# Altium PCB Arduino开发板 MINI款.PcbDoc
Units mm, origin at the board's own origin, x right, y up, seen from the top; angles counter-clockwise.
Board outline 68.58 x 53.34 mm, 2 copper layers (Top Layer, Bottom Layer); 45 components, 40 nets, 243 pads, 41 vias.
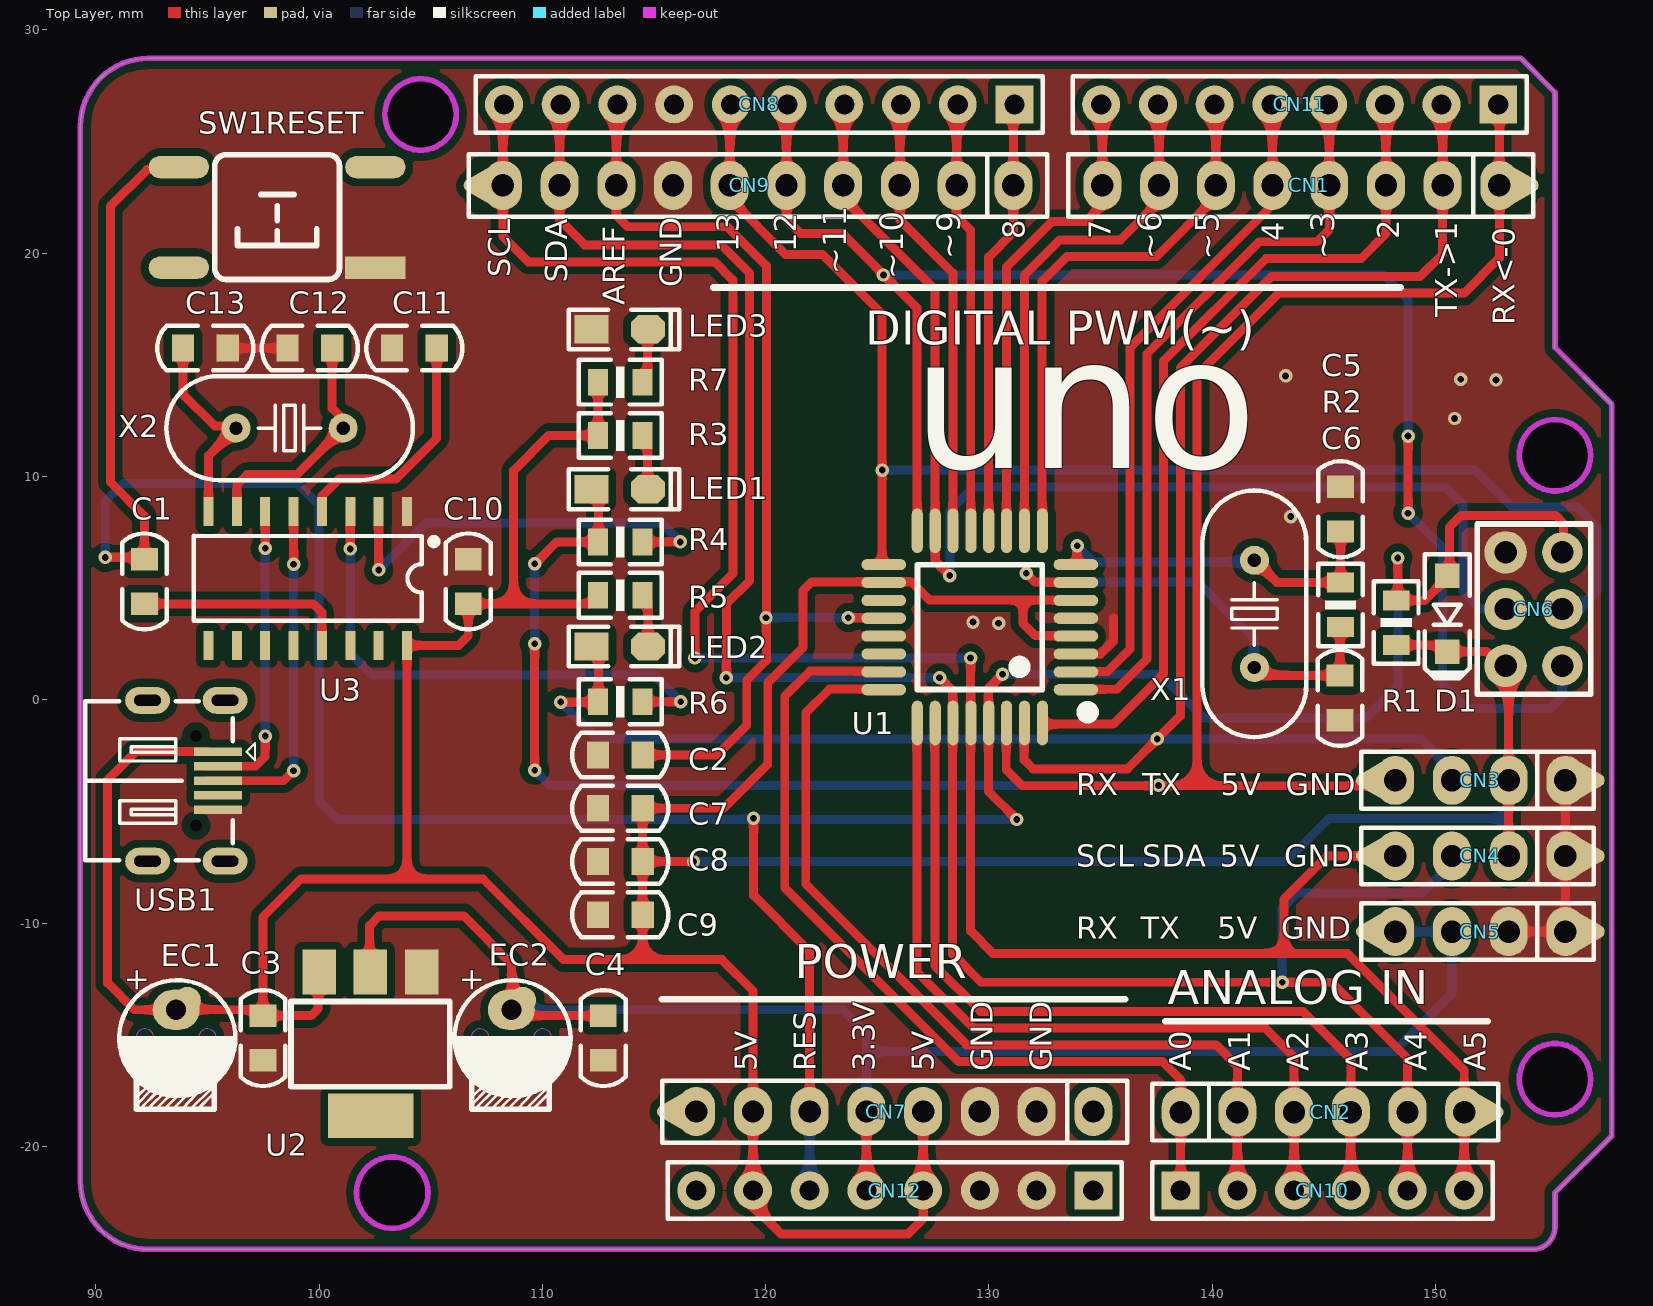
[diagram p0: Top Layer view]
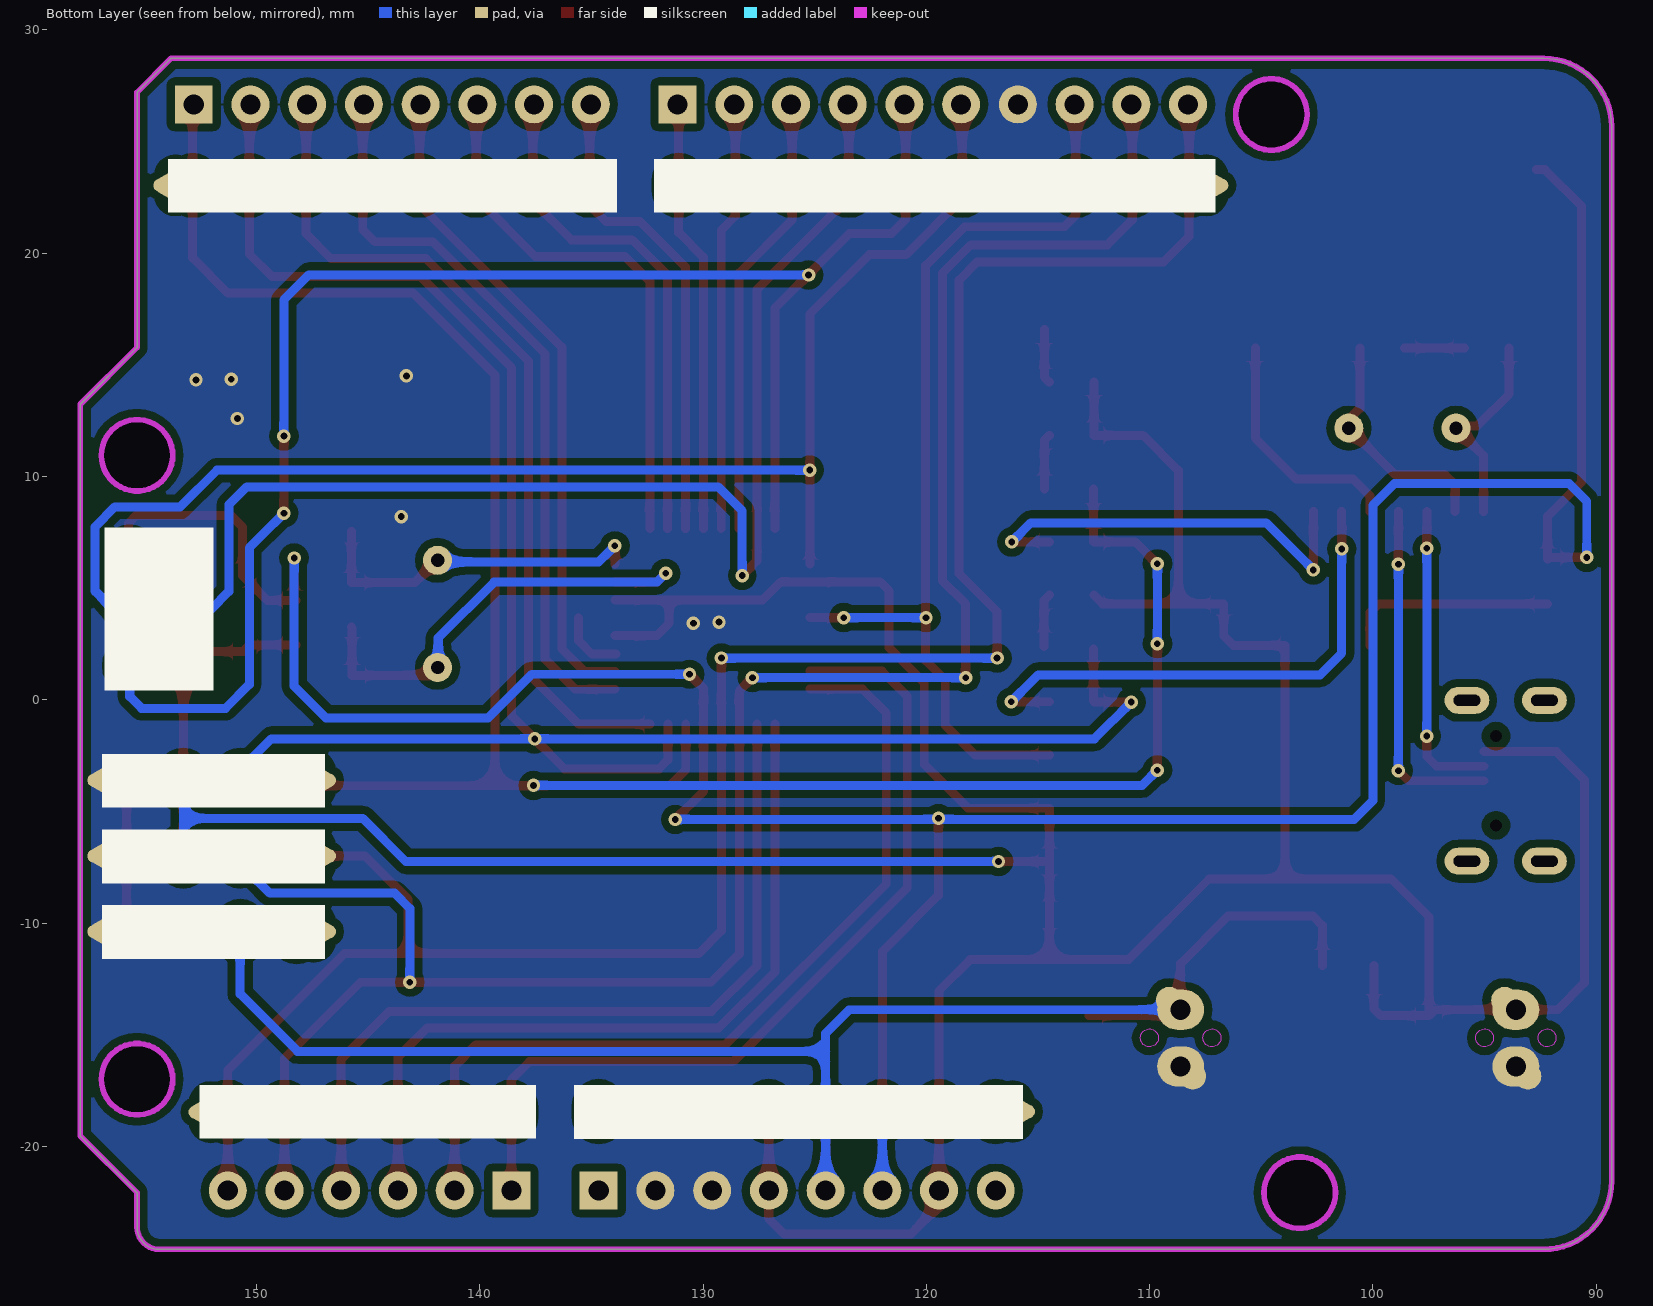
[diagram p1: Bottom Layer view, seen from below]

## Layer stack, top to bottom
Top Solder: solder mask 0.0102, Solder Resist, Dk 3.5
Top Layer: signal copper 0.0356
Dielectric 1: dielectric 0.32, FR-4, Dk 4.8
Bottom Layer: signal copper 0.0356
Bottom Solder: solder mask 0.0102, Solder Resist, Dk 3.5

## Board outline
89.306,-21.565 ccw(c92.354,-21.565) 92.354,-24.613 154.346,-24.613 ccw(c154.346,-23.613) 155.346,-23.613 155.346,-22.073 157.886,-19.533 157.886,13.233 155.346,15.773 155.346,27.203 153.822,28.727 92.354,28.727 ccw(c92.354,25.679) 89.306,25.679
cut-out: 153.746,10.947 ccw(c155.346,10.947) 155.346,9.347 ccw(c155.346,10.947) 156.946,10.947 ccw(c155.346,10.947) 155.346,12.547 ccw(c155.346,10.947)
cut-out: 153.746,-16.993 ccw(c155.346,-16.993) 155.346,-18.593 ccw(c155.346,-16.993) 156.946,-16.993 ccw(c155.346,-16.993) 155.346,-15.393 ccw(c155.346,-16.993)
cut-out: 101.676,-22.073 ccw(c103.276,-22.073) 103.276,-23.673 ccw(c103.276,-22.073) 104.876,-22.073 ccw(c103.276,-22.073) 103.276,-20.473 ccw(c103.276,-22.073)
cut-out: 102.946,26.187 ccw(c104.546,26.187) 104.546,24.587 ccw(c104.546,26.187) 106.146,26.187 ccw(c104.546,26.187) 104.546,27.787 ccw(c104.546,26.187)

## Design rules (kind name [scope] priority, off if disabled: settings)
Clearance [All] p1: gap=0.35 ignorepadtopadclearanceinfootprint=FALSE
PlaneConnect [All] p1: planeconnectstyle=Direct reliefexpansion=0.508 reliefentries=4 reliefconductorwidth=0.254 reliefairgap=0.254
PolygonConnect [All] p1: connectstyle=Direct reliefconductorwidth=0.254 reliefentries=4 polygonreliefangle="90 Angle" airgapwidth=0.254
RoutingVias [All] p1: holewidth=0.711 width=1.27 viastyle="Through Hole" minholewidth=0.711 minwidth=1.27 maxholewidth=0.711 maxwidth=1.27
SolderMaskExpansion [All] p1: expansion=0.102
Width [All] p1: maxlimit=10 minlimit=0.254 preferedwidth=0.254
29 further rules are at their usual default settings.

## Components (designator, comment, footprint, x,y, rotation, side; value= is the part's Value field where it differs from the comment)
C1 "104" C0805-SMT 92.177,5.299 r90 top
C2 "22pF" C0805-SMT 113.487,-2.471 r180 top
C3 "104" C0805-SMT 97.485,-15.148 r90 top
C4 "104" C0805-SMT 112.725,-15.148 r90 top
C5 "22pF" C0805-SMT 145.745,8.534 r270 top
C6 "22pF" C0805-SMT 145.72,0.086 r90 top
C7 "104" C0805-SMT 113.487,-4.856 r0 top
C8 "104" C0805-SMT 113.487,-7.242 r0 top
C9 "104" C0805-SMT 113.487,-9.627 r0 top
C10 "104" C0805-SMT 106.68,5.299 r90 top
C11 "104" C0805-SMT 104.267,15.748 r0 top
C12 "22pF" C0805-SMT 99.585,15.748 r0 top
C13 "22pF" C0805-SMT 94.904,15.748 r180 top
CN1 "排针8P" sip8 152.857,23.038 r180 top
CN2 "排针6P" sip6 144.932,-18.466 r0 top
CN3 "CN4" sip4 155.813,-3.607 r180 top
CN4 "CN4" sip4 155.813,-6.994 r180 top
CN5 "CN4" sip4 155.813,-10.382 r180 top
CN6 "CN2*3" sip2*3 154.407,4.064 r90 top
CN7 "排针8P" SIP8 134.671,-18.44 r180 top
CN8 "排母10P" HDR2.54-M-LI-10P 119.71,26.663 r180 top
CN9 "排针10P" SIP10 131.089,23.038 r180 top
CN10 "排母6P" HDR2.54-M-LI-6P 144.932,-21.978 r0 top
CN11 "排母8P" HDR2.54-M-LI-8P 143.916,26.663 r180 top
CN12 "排母8P" HDR2.54-M-LI-8P 125.781,-21.978 r180 top
D1 "1N4148" SOD123/F(4148)-SMT 150.52,3.861 r270 top
EC1 "10uF" CAE2.54-Φ5-AI 93.599,-15.138 r0 top
EC2 "10uF" CAE2.54-Φ5-AI 108.61,-15.138 r0 top
LED1 "LED-0805" "LED 0805R" 113.462,9.431 r0 top
LED2 "LED-0805" "LED 0805R" 113.462,2.388 r0 top
LED3 "LED-0805" "LED 0805R" 113.462,16.586 r0 top
R1 "10K/0805" R0805-SMT 148.234,3.454 r270 top
R2 "1M/0805" R0805-SMT 145.745,4.251 r90 top
R3 "1K/0805" R0805-SMT 113.487,11.839 r0 top
R4 "1K/0805" R0805-SMT 113.487,7.069 r0 top
R5 "1K/0805" R0805-SMT 113.487,4.684 r0 top
R6 "1K/0805" R0805-SMT 113.487,-0.086 r0 top
R7 "1K/0805" R0805-SMT 113.487,14.224 r180 top
SW1 "6_6_5MM轻触按键" "TSW SMD-6*6*5" 98.12,21.615 r180 top
U1 "ATMEGA328P" "LQFP32 7X7_M" 129.591,3.251 r90 top
U2 "AMS1117-3.3" SOT-223 102.362,-15.494 r180 top
U3 "CH340G" IC-SOP16-1.27-SMT 99.492,5.436 r180 top
USB1 "USB-5P" USB-MICRO_D 92.318,-3.626 r270 top
X1 "12M" "OSC HC-49S" 141.884,3.848 r270 top
X2 "12M" "OSC HC-49S" 98.679,12.167 r180 top

## Footprints (in the part's own frame and the unit in brackets; to place one, negate y for a bottom-side part, rotate by r counter-clockwise, add the part's x,y. Pads: shape width x height; smd on the part's side, far side on the other; paste and mask are expansions set on the pad)
C0805-SMT [mm]
  rect 1x1.2 smd: 1(-1,0) 2(1,0)
  silkscreen extent -2.15,-1 2.15,1, body extent -1,-0.62 1,0.62, height 0.77
CAE2.54-Φ5-AI [mm]
  oval 2.1x1.8 hole 0.9: 1(0,1.257) 2(0,-1.283)
  oval 1.8x2.6 on Bottom Solder rot 135: 1(0.236,1.446) 2(-0.236,-1.511)
  round 1.2 all layers, no hole: 1(0.504,1.685) 2(-0.542,-1.715)
  Keep-Out Layer circle w0.05: c-1.4,0 r0.4
  Keep-Out Layer circle w0.05: c1.4,0 r0.4
  silkscreen extent -2.55,-3.22 2.65,2.59, body extent -2.5,-2.51 2.5,2.5, height 11.04
HDR2.54-M-LI-6P [mm] "排母，6脚  淘宝ID:黄晶宝石   店铺网址:https://shop463601444.taobao.com"
  rect 1.7x1.7 hole 0.9: 1(-6.35,0)
  round 1.7 hole 0.9: 2(-3.81,0) 3(-1.27,0) 4(1.27,0) 5(3.81,0) 6(6.35,0)
  silkscreen extent -7.62,-1.27 7.62,1.27, body extent -7.62,-1.27 7.62,1.27, height 8.5
HDR2.54-M-LI-8P [mm] "排母，8脚"
  rect 1.7x1.7 hole 0.9: 1(-8.89,0)
  round 1.7 hole 0.9: 2(-6.35,0) 3(-3.81,0) 4(-1.27,0) 5(1.27,0) 6(3.81,0) 7(6.35,0) 8(8.89,0)
  silkscreen extent -10.16,-1.27 10.16,1.27, body extent -10.16,-1.27 10.16,1.27, height 8.5
HDR2.54-M-LI-10P [mm] "排母，10脚"
  rect 1.7x1.7 hole 0.9: 1(-11.43,0)
  round 1.7 hole 0.9: 2(-8.89,0) 3(-6.35,0) 4(-3.81,0) 5(-1.27,0) 6(1.27,0) 7(3.81,0) 8(6.35,0) 9(8.89,0) 10(11.43,0)
  silkscreen extent -12.7,-1.27 12.7,1.27, body extent -12.7,-1.27 12.7,1.27, height 8.5
IC-SOP16-1.27-SMT [mm]
  rect 0.45x1.3 smd: 1(-4.445,-3) 2(-3.175,-3) 3(-1.905,-3) 4(-0.635,-3) 5(0.635,-3) 6(1.905,-3) 7(3.175,-3) 8(4.445,-3) 9(4.445,3) 10(3.175,3) 11(1.905,3) 12(0.635,3) 13(-0.635,3) 14(-1.905,3) 15(-3.175,3) 16(-4.445,3)
  silkscreen extent -5.8,-1.9 5.1,1.9, body extent -5,-3.13 5,3.13, height 1.5
"LED 0805R" [mil] "红色0805LED                                       淘宝ID:黄晶宝石"
  rect 60x50 smd: 1(-50,0)
  oct 60x50 smd: 2(50,0)
  silkscreen extent -90,-35 105,35, body extent -39,-25 39,25, height 32
"LQFP32 7X7_M" [mm] "32脚，体宽7x7mm，脚距0.8mm     淘宝ID:黄晶宝石"
  oval 0.5x2 smd: 1(-2.8,-4.303) 2(-2,-4.303) 3(-1.2,-4.303) 4(-0.4,-4.303) 5(0.4,-4.303) 6(1.2,-4.303) 7(2,-4.303) 8(2.8,-4.303) 17(2.8,4.303) 18(2,4.303) 19(1.2,4.303) 20(0.4,4.303) 21(-0.4,4.303) 22(-1.2,4.303) 23(-2,4.303) 24(-2.8,4.303)
  oval 2x0.5 smd: 9(4.317,-2.8) 10(4.317,-2) 11(4.317,-1.2) 12(4.317,-0.4) 13(4.317,0.4) 14(4.317,1.2) 15(4.317,2) 16(4.317,2.8) 25(-4.289,2.8) 26(-4.289,2) 27(-4.289,1.2) 28(-4.289,0.4) 29(-4.289,-0.4) 30(-4.289,-1.2) 31(-4.289,-2) 32(-4.289,-2.8)
  silkscreen extent -4.06,-5.08 2.79,2.79, body extent -4.5,-4.5 4.5,4.5, height 1.45
"OSC HC-49S" [mm] "封装库来自淘宝卖家 ID：黄晶宝石"
  round 1.3 hole 0.6: 1(-2.4,0) 2(2.4,0)
  silkscreen extent -5.52,-2.32 5.52,2.33, body extent -5.52,-2.32 5.53,2.33, height 4.13
R0805-SMT [mm]
  rect 0.9x1.2 smd: 1(-1,0) 2(1,0)
  silkscreen extent -1.85,-1 1.85,1, body extent -1,-0.62 1,0.63, height 0.4
sip2*3 [mm]
  round 1.8 hole 1: 1(-2.54,-1.27) 3(0,-1.27) 5(2.54,-1.27)
  round 1.9 hole 1: 2(-2.54,1.27) 4(0,1.27) 6(2.54,1.27)
  silkscreen extent -3.81,-2.54 3.81,2.54, body extent -3.81,-2.54 3.81,2.54, height 8.5
sip4 [mm]
  oval 0.6x2 all layers, no hole rot 121: 1(-0.76,0.4)
  oval 0.6x2 all layers, no hole rot 60: 1(-0.76,-0.4) 4(8.38,0.4)
  oval 2x0.6 all layers, no hole: 1(-0.76,0) 4(8.38,0)
  oval 1.7x2.2 hole 1: 1(0,0) 2(2.54,0) 3(5.08,0) 4(7.62,0)
  oval 0.6x2 all layers, no hole rot 120: 4(8.38,-0.4)
  silkscreen extent -1.27,-1.27 9.14,1.27, body extent -1.27,-1.27 8.89,1.27, height 8.5
sip6 [mm]
  oval 1.7x2.2 hole 1: 1(-6.35,0) 2(-3.81,0) 3(-1.27,0) 4(1.27,0) 5(3.81,0) 6(6.35,0)
  oval 2x0.6 all layers, no hole: 6(7.11,0)
  oval 0.6x2 all layers, no hole rot 120: 6(7.11,-0.4)
  oval 0.6x2 all layers, no hole rot 60: 6(7.11,0.4)
  silkscreen extent -7.62,-1.27 7.87,1.27, body extent -7.62,-1.27 7.62,1.27, height 8.5
sip8 [mm]
  oval 0.6x2 all layers, no hole rot 120: 1(-0.76,0.4)
  oval 0.6x2 all layers, no hole rot 60: 1(-0.76,-0.4)
  oval 2x0.6 all layers, no hole: 1(-0.76,0)
  oval 1.7x2.2 hole 1: 1(0,0) 2(2.54,0) 3(5.08,0) 4(7.62,0) 5(10.16,0) 6(12.7,0) 7(15.24,0) 8(17.78,0)
  silkscreen extent -1.52,-1.39 19.3,1.4, body extent -1.27,-1.27 19.05,1.27, height 8.5
SIP8 [mm]
  oval 1.7x2.2 hole 1: 1(0,0) 2(2.54,0) 3(5.08,0) 4(7.62,0) 5(10.16,0) 6(12.7,0) 7(15.24,0) 8(17.78,0)
  oval 2x0.6 all layers, no hole: 8(18.54,0)
  oval 0.6x2 all layers, no hole rot 120: 8(18.54,-0.4)
  oval 0.6x2 all layers, no hole rot 60: 8(18.54,0.4)
  silkscreen extent -1.52,-1.39 19.3,1.4, body extent -1.27,-1.27 19.05,1.27, height 8.5
SIP10 [mm]
  oval 1.7x2.2 hole 1: 1(0,0) 2(2.54,0) 3(5.08,0) 4(7.62,0) 5(10.16,0) 6(12.7,0) 7(15.24,0) 8(17.78,0) 9(20.32,0) 10(22.86,0)
  oval 2x0.6 all layers, no hole: 10(23.62,0)
  oval 0.6x2 all layers, no hole rot 120: 10(23.62,-0.4)
  oval 0.6x2 all layers, no hole rot 60: 10(23.62,0.4)
  silkscreen extent -1.52,-1.39 24.38,1.4, body extent -1.27,-1.27 24.13,1.27, height 8.5
SOD123/F(4148)-SMT [mm]
  rect 1.1x1.1 smd: A(-1.7,0) K(1.7,0)
  silkscreen extent -2.65,-1 2.9,1, body extent -1.85,-0.8 1.85,0.8, height 1.2
SOT-223 [mil] "封装库来自淘宝卖家 ID：黄晶宝石"
  rect 59x79 smd: 1(-88,-130) 2(2.55,-130) 3(93.1,-130)
  rect 150x79 smd: 2(1.88,123.54)
  silkscreen extent -137,-78 143,72, body extent -126,-139 130,135, height 67
"TSW SMD-6*6*5" [mm] "6*6*5mm           淘宝ID:黄晶宝石"
  rect 2.7x1 smd: 1(-4.4,2.261)
  oval 2.7x1 smd: 2(-4.4,-2.239) 3(4.4,-2.239) 4(4.4,2.261)
  silkscreen extent -2.79,-2.79 2.79,2.79, body extent -4.5,-3 4.5,3, height 4.95
USB-MICRO_D [mm] "micro型USB ，6.7*7.5*2.5mm"
  oval 1.2x2 hole 0.5 slot 1.2 at 90 deg: 0(-3.6,3.47) 0(-3.6,0) 0(3.6,3.47) 0(3.6,0)
  round 0 hole 0.55 unplated: 0(-2,2.17) 0(2,2.17)
  rect 0.381x2.15 smd: 1(-1.3,3.16) 2(-0.65,3.16) 3(0,3.16) 4(0.65,3.16) 5(1.3,3.16)
  silkscreen extent -3.56,-2.79 3.56,4.81, body extent -3.99,-2.75 3.99,3.95, height 2.79

## Part data
C1 C2 C3 C4 C5 C6 C7 C8 C9 C10 C11 C12 C13: library part C, "C"
CN1 CN7 CN11 CN12: library part CN8, "8P-SOCKET"
CN2 CN10: library part CN6, "6P-SOCKET"
CN3 CN4 CN5: "4P-SOCKET"
CN8 CN9: library part CN10, "10P-SOCKET"
D1: library part D, "DIODE"
EC1 EC2: library part CAE, "EA"
LED1 LED2 LED3: "LED_0805"
R1 R2 R3 R4 R5 R6 R7: library part R, "RES"
X1 X2: library part X, "4M"

## Via types
v1: diameter 0.6, hole 0.3, Top Layer to Bottom Layer, 41 vias

## Nets (pads, with @x,y where several pads share a name; then routed paths per layer and width w, separated by ;. In a path a pad name is that pad's centre, name@x,y a point inside that pad or via, vN(x,y) a via of type N, cw(c..) or ccw(c..) an arc to the next point about the centre after c; other vN are vias at no path point)
+3V3: C4.2 CN5.3 CN5.4 CN7.5 CN12.5 EC2.1@108.61,-13.881 EC2.1@109.114,-13.453 U2.2@102.297,-12.192 | length 78.1
  Top Layer w0.4: U2.2@102.26,-11.898 102.26,-10.109 102.692,-9.677 106.477,-9.677 108.61,-11.811 108.61,-13.881 108.878,-14.148 C4.2 ; CN12.5@124.511,-22.098 CN7.5 ; CN5.4@147.433,-10.382 CN5.4@148.193,-10.382
  Bottom Layer w0.4: EC2.1@108.61,-13.881 123.457,-13.881 124.511,-14.935 124.511,-15.291 ; CN12.5@124.511,-22.098 CN7.5 124.511,-16.205 ; 124.511,-15.265 124.511,-15.291 ; CN5.4@147.433,-10.382 148.193,-10.382 CN5.3 150.733,-13.173 148.158,-15.748 124.968,-15.748 ; 124.511,-16.205 124.511,-15.748 ; 124.511,-16.205 124.968,-15.748 ; 124.511,-15.748 124.511,-15.291 ; 124.511,-15.748 124.968,-15.748 ; 124.511,-15.291 124.968,-15.748
+5V: C3.2 C7.2 C8.2 C9.2 C10.1 CN3.2 CN4.2 CN6.2 CN7.4 CN7.7 CN12.4 CN12.7 D1.K EC1.1@93.599,-13.881 EC1.1@94.103,-13.453 R1.2 R3.1 R5.1 R7.2 U1.4 U1.6 U1.18 U2.3 U3.16 USB1.1 | length 213.4
  Top Layer w0.4: USB1.1@95.024,-2.325 91.782,-2.325 90.526,-3.581 90.526,-12.675 91.732,-13.881 93.599,-13.881 97.218,-13.881 C3.2 ; U2.3@99.96,-11.898 99.96,-13.832 99.644,-14.148 C3.2 ; 104.572,-8.026 104.394,-8.026 ; 109.296,4.299 109.239,4.299 ; R5.1 112.103,4.299 109.239,4.299 ; R7.2 R3.1 110.289,11.839 108.712,10.262 108.712,4.826 ; 115.392,-11.633 115.046,-11.633 ; v1(116.766,-7.242) C8.2 ; CN7.4 127.051,-22.098 127.051,-23.241 126.365,-23.927 120.701,-23.927 119.431,-22.657 119.431,-22.098 CN7.7 119.431,-13.03 118.034,-11.633 115.046,-11.633 ; U1.4@133.947,2.873 132.077,2.873 131.521,3.429 131.521,4.47 ; U1.6@133.947,4.47 131.521,4.47 ; R1.2 150.328,2.454 D1.K@150.622,2.161 ; D1.K D1.K@150.622,2.161 ; CN6.2 153.273,1.387 CN6.2@153.273,1.168 ; CN4.2 CN3.2 CN6.2@153.273,1.168 ; C3.2 97.485,-9.728 99.187,-8.026 103.48,-8.026 ; 103.48,-8.026 103.886,-8.026 ; 103.48,-8.026 103.937,-7.569 ; 103.886,-8.026 104.394,-8.026 ; 103.886,-8.026 103.937,-7.976 103.937,-7.569 ; 103.937,-7.569 104.394,-8.026 ; 103.937,-7.569 U3.16 106.245,2.436 106.68,2.87 C10.1 108.185,4.299 ; 104.394,-8.026 107.34,-8.026 110.947,-11.633 113.928,-11.633 ; 108.185,4.299 108.712,4.299 ; 108.185,4.299 108.712,4.826 ; 108.712,4.299 109.239,4.299 ; 108.712,4.299 108.712,4.826 ; 108.712,4.826 109.239,4.299 ; 113.928,-11.633 114.503,-11.633 ; 113.928,-11.633 114.487,-11.074 ; 114.487,-11.074 115.046,-11.633 ; 114.487,-11.074 C9.2 C8.2 ; 114.487,-11.074 114.487,-11.617 114.503,-11.633 ; C8.2 C7.2 118.13,-4.856 120.091,-2.896 120.091,0.762 121.666,2.337 121.666,4.877 122.07,5.281 125.209,5.281 126.52,5.281 127.33,4.47 131.521,4.47 ; 114.503,-11.633 115.046,-11.633 ; D1.K@150.622,2.161 152.281,2.161 CN6.2@153.273,1.168
  Bottom Layer w0.4: v1(116.766,-7.242) 143.304,-7.242 145.237,-5.309 152.816,-5.309 ; CN4.2 153.273,-5.74 ; CN3.2 153.273,-4.851 ; 152.816,-5.309 153.248,-5.74 153.273,-5.74 ; 152.816,-5.309 153.248,-5.309 153.273,-5.283 ; 152.816,-5.309 153.273,-4.851 ; 153.273,-5.74 153.273,-5.283 ; 153.273,-5.283 153.273,-4.851
ADC6: U1.19
ADC7: U1.22
AREF: C2.1 CN8.8 CN9.8 U1.20 | length 43.9
  Top Layer w0.4: CN8.8@113.309,26.543 CN9.8 113.309,21.692 113.817,21.184 118.288,21.184 120.028,19.443 120.028,4.277 ; C2.1 117.823,-2.471 119.151,-1.143 119.151,0.883 120.028,1.76 120.028,4.277 ; 120.028,4.343 120.028,4.277 ; v1(123.695,3.68) U1.20@125.209,3.68
  Bottom Layer w0.4: v1(120.012,3.68) v1(123.695,3.68)
D+: U3.5 USB1.3 | length 15.6
  Top Layer w0.4: USB1.3@95.024,-3.626 98.406,-3.626 v1(98.857,-3.175) ; v1(98.857,6.071) U3.5
  Bottom Layer w0.4: v1@98.857,-3.15 v1(98.857,6.071)
D-: U3.6 USB1.2 | length 13.7
  Top Layer w0.4: USB1.2@95.024,-2.976 97.151,-2.976 97.587,-2.54 v1(97.587,-1.626) ; v1(97.587,6.782) U3.6
  Bottom Layer w0.4: v1(97.587,-1.626) v1(97.587,6.782)
DTR: C1.1 U3.13 | length 9.6
  Top Layer w0.4: C1.1 99.739,4.299 100.127,3.912 U3.13
GND: C2.2 C3.1 C4.1 C5.1 C6.1 C7.1 C8.1 C9.1 C10.2 C11.1 C12.1 C13.1 CN3.1 CN4.1 CN5.1 CN5.2 CN6.6 CN7.2 CN7.3 CN8.7 CN9.7 CN12.2 CN12.3 EC1.2@93.057,-16.853 EC1.2@93.599,-16.421 EC2.2@108.61,-16.421 EC2.2@108.068,-16.853 LED3.1 SW1.1 U1.3 U1.5 U1.21 U2.1 U3.1 USB1.5 | length 15.7
  Top Layer w0.4: C13.1 C12.1 ; U1.3 134.975,2.051 135.569,2.645 135.569,3.658 ; CN5.2 CN5.1@155.813,-10.382 ; CN3.1@155.813,-3.607 155.813,-6.994 CN5.1@155.813,-10.382 ; CN5.1@156.573,-10.382 CN5.1@155.813,-10.382
  other v1: 130.429,3.429 129.286,3.48 143.51,8.204 150.851,12.598 152.705,14.326 151.13,14.351 143.281,14.503
MISO: CN6.1 CN8.5 CN9.5 U1.16 | length 71.6
  Top Layer w0.4: CN8.5@120.929,26.543 CN9.5 120.929,21.514 121.564,20.879 123.444,20.879 126.784,17.539 U1.16@126.784,7.671 ; v1(148.768,8.357) v1(148.768,11.811)
  Bottom Layer w0.4: v1(125.273,19.025) 147.65,19.025 148.768,17.907 v1(148.768,11.811) ; v1(148.768,8.357) 150.317,6.807 150.317,0.686 151.384,-0.381 155.143,-0.381 155.677,0.152 CN6.1
MOSI: CN6.4 CN8.4 CN9.4 U1.15 | length 55.7
  Top Layer w0.4: CN8.4@123.469,26.543 CN9.4 123.469,22.479 127.584,18.364 127.584,7.671 127.584,6.223 v1(128.245,5.563)
  Bottom Layer w0.4: v1(128.245,5.563) 128.245,8.458 129.323,9.537 150.432,9.537 151.232,8.738 151.232,4.851 152.019,4.064 CN6.4
NetC5_2: C5.2 R2.2 U1.8 X1.1 | length 15.8
  Top Layer w0.4: U1.8@133.947,6.071 v1(133.947,6.896) ; X1.1@141.757,6.401 142.907,5.251 R2.2 C5.2
  Bottom Layer w0.4: v1(133.947,6.896) 134.671,6.172 X1.1@141.859,6.172
NetC6_2: C6.2 R2.1 U1.7 X1.2 | length 21.5
  Top Layer w0.4: v1(131.674,5.664) 132.067,5.271 U1.7@133.947,5.271 ; X1.2@141.859,1.092 145.713,1.092 C6.2 145.72,3.226 R2.1
  Bottom Layer w0.4: v1(131.674,5.664) 132.067,5.271 139.357,5.271 141.859,2.769 X1.2@141.859,1.092
NetC11_2: C11.2 U3.4 | length 10.9
  Top Layer w0.4: U3.4 100.127,9.119 100.889,9.881 103.429,9.881 105.267,11.719 C11.2
NetC12_2: C12.2 U3.7 X2.1 | length 10.8
  Top Layer w0.4: U3.7 96.317,9.627 96.774,10.084 98.996,10.084 X2.1 101.079,12.561 100.585,13.054 C12.2
NetC13_2: C13.2 U3.8 X2.2 | length 9.3
  Top Layer w0.4: C13.2 93.904,13.691 95.326,12.268 96.177,12.268 X2.2 95.047,10.934 U3.8
NetLED1_2: LED1.2 R3.2 | length 2.5
  Top Layer w0.4: R3.2 114.712,11.614 LED1.2@114.712,9.431
NetLED2_2: LED2.2 R5.2 | length 2.4
  Top Layer w0.4: R5.2 114.732,4.439 LED2.2
NetLED3_2: LED3.2 R7.1 | length 2.5
  Top Layer w0.4: R7.1 114.712,14.449 LED3.2@114.712,16.586
NetR4_2: R4.2 U3.2 | length 19
  Top Layer w0.4: v1(102.667,5.817) U3.2 ; R4.2 v1(116.172,7.069)
  Bottom Layer w0.4: v1(102.667,5.817) 104.775,7.925 115.316,7.925 v1(116.172,7.069)
NetR6_2: R6.2 U3.3 | length 23.7
  Top Layer w0.4: v1(101.397,6.756) U3.3 ; R6.2 v1(116.19,-0.086)
  Bottom Layer w0.4: v1(101.397,6.756) 101.397,2.083 102.362,1.118 114.986,1.118 v1(116.19,-0.086)
PB0: CN8.1 CN9.1 U1.12 | length 19.3
  Top Layer w0.4: U1.12@129.982,7.671 129.982,19.822 131.089,20.93 CN9.1 CN8.1@131.089,26.543
PB1: CN8.2 CN9.2 U1.13 | length 19.1
  Top Layer w0.4: CN8.2@128.549,26.543 CN9.2 128.549,21.666 129.184,21.031 U1.13@129.184,7.671
PB2: CN8.3 CN9.3 U1.14 | length 19.9
  Top Layer w0.4: CN8.3@126.009,26.543 CN9.3 126.009,21.488 128.384,19.113 U1.14@128.384,7.671
PB5: CN6.3 CN8.6 CN9.6 U1.17 | length 62.1
  Top Layer w0.4: CN8.6@118.389,26.543 CN9.6 118.389,22.454 120.904,19.939 122.555,19.939 125.209,17.285 U1.17@125.209,6.081
  Bottom Layer w0.4: v1(125.222,10.287) 151.765,10.287 153.416,8.636 156.337,8.636 157.226,7.747 157.226,4.877 156.413,4.064 CN6.3
PC0: CN2.1 CN10.1 U1.23 | length 39.8
  Top Layer w0.4: U1.23@125.209,1.283 121.983,1.283 120.853,0.152 120.853,-8.407 128.651,-16.205 137.77,-16.205 138.582,-17.018 CN2.1 CN10.1@138.582,-22.105
PC1: CN2.2 CN10.2 U1.24 | length 39.9
  Top Layer w0.4: U1.24@125.209,0.483 122.86,0.483 121.793,-0.584 121.793,-8.249 128.999,-15.455 140.169,-15.455 141.122,-16.408 CN2.2 CN10.2@141.122,-22.105
PC2: CN2.3 CN10.3 U1.25 | length 35.7
  Top Layer w0.4: U1.25@126.774,-1.092 126.774,-12.169 129.31,-14.705 142.366,-14.705 143.662,-16.002 CN2.3 CN10.3@143.662,-22.105
PC3: CN2.4 CN10.4 U1.26 | length 37.2
  Top Layer w0.4: U1.26@127.574,-1.092 127.574,-11.909 129.621,-13.955 144.054,-13.955 146.202,-16.104 CN2.4 CN10.4@146.202,-22.105
PC4: CN2.5 CN4.3 CN8.9 CN9.9 CN10.5 U1.27 | length 95.7
  Top Layer w0.4: CN8.9@110.769,26.543 CN9.9 110.769,21.488 111.887,20.371 118.008,20.371 119.278,19.101 119.278,5.34 118.237,4.299 v1(118.237,0.991) ; v1(127.787,0.991) 128.374,0.404 128.374,-1.092 128.374,-11.382 129.642,-12.649 v1(143.129,-12.649) 145.339,-12.649 148.742,-16.053 CN2.5 CN10.5@148.742,-22.105
  Bottom Layer w0.4: v1(118.237,0.991) v1(127.787,0.991) ; v1(143.129,-12.649) 143.129,-9.347 143.815,-8.661 149.403,-8.661 150.733,-7.331 CN4.3
PC5: CN2.6 CN4.4 CN8.10 CN9.10 CN10.6 U1.28 | length 97.8
  Top Layer w0.4: CN8.10@108.229,26.543 108.229,23.038 108.229,20.752 109.372,19.609 117.71,19.609 118.528,18.79 118.528,5.651 116.83,3.952 v1(116.83,1.869) ; v1(129.174,1.869) 129.174,-1.092 129.174,-10.353 130.175,-11.354 142.799,-11.354 ; 143.84,-11.354 143.612,-11.354 ; CN4.4@147.433,-6.994 145.152,-6.994 143.205,-8.941 143.205,-10.947 ; CN10.6@151.282,-21.745 151.282,-18.466 151.282,-16.586 146.05,-11.354 143.612,-11.354 ; 142.799,-11.354 143.231,-11.354 ; 142.799,-11.354 143.205,-10.947 ; 143.205,-10.947 143.612,-11.354 ; 143.205,-10.947 143.205,-11.328 143.231,-11.354 ; 143.231,-11.354 143.612,-11.354
  Bottom Layer w0.4: v1(116.83,1.869) v1(129.174,1.869)
PD0: CN1.1 CN3.4 CN11.1 LED1.1 R4.1 U1.30 | length 105.7
  Top Layer w0.4: v1(109.652,-3.15) v1(109.652,2.515) ; v1@109.652,6.071 110.65,7.069 R4.1 112.512,7.094 LED1.1@112.512,9.431 ; U1.30@130.772,-1.092 130.772,-3.137 131.484,-3.849 138.671,-3.849 ; CN3.4@148.193,-3.607 147.951,-3.849 139.967,-3.849 ; CN11.1@152.857,26.543 152.857,23.038 152.857,19.787 151.282,18.212 142.977,18.212 139.319,14.554 139.319,-3.2 ; 138.671,-3.849 139.319,-3.849 ; 138.671,-3.849 139.319,-3.2 ; 139.319,-3.849 139.967,-3.849 ; 139.319,-3.849 139.319,-3.2 ; 139.319,-3.2 139.967,-3.849
  Bottom Layer w0.4: v1(109.652,-3.15) 110.338,-3.835 v1(137.592,-3.835) ; v1(109.652,2.515) v1(109.652,6.096)
PD1: CN1.2 CN3.3 CN11.2 LED2.1 R6.1 U1.31 | length 91.5
  Top Layer w0.4: v1(110.82,-0.102) 112.472,-0.102 R6.1 112.512,-0.061 LED2.1@112.512,2.276 ; U1.31@131.572,-1.092 131.572,-2.692 131.978,-3.099 136.195,-3.099 v1(137.541,-1.753) 138.569,-0.725 138.569,14.865 142.666,18.962 149.315,18.962 150.317,19.964 CN1.2 CN11.2@150.317,26.543
  Bottom Layer w0.4: v1(110.82,-0.102) 112.471,-1.753 v1(137.541,-1.753) 149.327,-1.753 150.733,-3.159 CN3.3
PD2: CN1.3 CN11.3 U1.32 | length 38.4
  Top Layer w0.4: U1.32@132.372,-1.092 135.56,-1.092 137.819,1.167 137.819,15.176 142.405,19.761 146.66,19.761 147.777,20.879 CN1.3 CN11.3@147.777,26.543
PD3: CN1.4 CN11.4 U1.1 | length 33.3
  Top Layer w0.4: U1.1@133.947,0.472 135.727,0.472 137.069,1.814 137.069,15.486 142.094,20.511 144.692,20.511 145.237,21.057 CN1.4 CN11.4@145.237,26.543
PD4: CN1.5 CN11.5 U1.2 | length 29.7
  Top Layer w0.4: U1.2@133.947,1.273 135.308,1.273 136.319,2.283 136.319,15.797 142.697,22.175 CN1.5 CN11.5@142.697,26.543
PD5: CN1.6 CN11.6 U1.9 | length 24.4
  Top Layer w0.4: U1.9@132.382,7.671 132.382,18.749 133.483,19.849 137.502,19.849 140.157,22.504 CN1.6 CN11.6@140.157,26.543
PD6: CN1.7 CN11.7 U1.10 | length 23
  Top Layer w0.4: U1.10@131.582,7.671 131.582,19.009 133.172,20.599 135.89,20.599 137.617,22.327 CN1.7 CN11.7@137.617,26.543
PD7: CN1.8 CN11.8 U1.11 | length 21.5
  Top Layer w0.4: U1.11@130.782,7.671 130.782,19.378 132.817,21.412 134.341,21.412 135.077,22.149 CN1.8 CN11.8@135.077,26.543
RESET: C1.2 CN6.5 CN7.6 CN12.6 D1.A R1.1 SW1.3 U1.29 | length 142.7
  Top Layer w0.4: v1(90.424,6.375) 92.1,6.375 C1.2 92.177,8.23 90.653,9.754 90.653,22.098 92.295,23.741 SW1.3@92.675,23.741 ; v1(119.456,-5.309) 119.456,-8.763 121.971,-11.278 CN7.6 ; U1.29@129.997,-1.067 U1.29@129.972,-1.092 ; v1(130.607,1.143) 129.972,0.508 U1.29@129.972,-1.092 ; v1(131.242,-5.359) 129.972,-4.089 U1.29@129.972,-1.092 ; v1(148.311,6.35) 148.311,4.531 R1.1 149.516,4.454 150.622,5.561 150.622,7.722 151.155,8.255 155.372,8.255 155.727,7.899 CN6.5@155.727,6.198
  Bottom Layer w0.4: v1(90.424,6.375) 90.424,8.89 91.211,9.677 99.035,9.677 100,8.712 100,-4.521 100.838,-5.359 v1(131.242,-5.359) ; CN12.6@121.971,-22.098 CN7.6 ; v1(130.607,1.143) 137.668,1.143 139.624,-0.813 146.888,-0.813 148.311,0.61 v1(148.311,6.35)
pads on no net: CN7.1 CN7.8 CN12.1 CN12.8 EC1.1@93.835,-13.692 EC1.2@93.363,-16.65 EC2.1@108.846,-13.692 EC2.2@108.374,-16.65 SW1.2 SW1.4 U2.2@102.314,-18.632 U3.9 U3.10 U3.11 U3.12 U3.14 U3.15 USB1.0 USB1.4

## Polygon pours and split planes (outlines as drawn)
GND on Bottom Layer "Top Layer-No Net" (solid, remove dead copper, pour order 2): 89.281,28.702 157.861,28.702 157.861,-24.613 89.281,-24.613
GND on Top Layer "Top Layer-No Net" (solid, remove dead copper, pour order 0): 157.861,28.702 157.861,-24.613 89.281,-24.613 89.281,28.702

## Keep-outs
Keep-Out Layer:
  circle w0.254: c104.546,26.213 r1.6
  circle w0.254: c155.346,-16.993 r1.6
  circle w0.254: c103.276,-22.073 r1.6
  circle w0.254: c155.346,10.947 r1.6
  lines w0.254: 89.306,-21.565 ccw(c92.354,-21.565) 92.354,-24.613 154.346,-24.613 ccw(c154.346,-23.613) 155.346,-23.613 155.346,-22.073 157.886,-19.533 157.886,13.233 155.346,15.773 155.346,27.203 153.822,28.727 92.354,28.727 ccw(c92.354,25.679) 89.306,25.679 89.306,-21.565

## Silkscreen, mask and mechanical layers (free items; w line width, h text height)
Top Overlay:
  lines w0.3: 115.341,-13.411 136.093,-13.411 ; 117.653,18.466 148.438,18.466 ; 137.897,-14.402 152.324,-14.402
  text "RESET" at 97.612,25.349 h1
  text "8" at 131.597,20.631 h1 r90
  text "7" at 135.458,20.631 h1 r90
  text "2" at 148.376,20.631 h1 r90
  text "4" at 143.209,20.536 h1 r90
  text "13" at 118.799,20.031 h1 r90
  text "12" at 121.358,20.031 h1 r90
  text "~6" at 138.079,19.723 h1.8 r90
  text "~3" at 145.83,19.723 h1.8 r90
  text "~9" at 129.075,19.721 h1.8 r90
  text "~5" at 140.644,19.714 h1.8 r90
  text "~11" at 123.956,19.05 h1.8 r90
  text "SCL" at 108.56,18.913 h1 r90
  text "~10" at 126.515,18.832 h1.8 r90
  text "SDA" at 111.119,18.684 h1 r90
  text "GND" at 116.239,18.475 h1 r90
  text "AREF" at 113.679,17.665 h1 r90
  text "TX->1" at 150.959,17.141 h1 r90
  text "RX<-0" at 153.543,16.775 h1 r90
  text "DIGITAL PWM(~)" at 124.46,15.9 h1.52
  text "uno" at 126.568,10.363 h6
  text "RX" at 133.909,-4.267 h1
  text "TX" at 136.872,-4.267 h1
  text "5V" at 140.369,-4.267 h1
  text "GND" at 143.281,-4.267 h1
  text "SCL" at 133.909,-7.48 h1
  text "SDA" at 136.855,-7.48 h1
  text "5V" at 140.335,-7.48 h1
  text "GND" at 143.231,-7.48 h1
  text "RX" at 133.909,-10.693 h1
  text "TX" at 136.804,-10.693 h1
  text "5V" at 140.233,-10.693 h1
  text "GND" at 143.078,-10.693 h1
  text "POWER" at 121.31,-12.471 h1.52
  text "ANALOG IN" at 137.998,-13.64 h1.52
  text "5V" at 119.609,-16.637 h1 r90
  text "RES" at 122.248,-16.637 h1 r90
  text "3.3V" at 124.888,-16.637 h1 r90
  text "5V" at 127.527,-16.637 h1 r90
  text "GND" at 130.167,-16.637 h1 r90
  text "GND" at 132.806,-16.637 h1 r90
  text "A0" at 139.05,-16.637 h1 r90
  text "A1" at 141.69,-16.637 h1 r90
  text "A2" at 144.329,-16.637 h1 r90
  text "A3" at 146.969,-16.637 h1 r90
  text "A4" at 149.608,-16.637 h1 r90
  text "A5" at 152.248,-16.637 h1 r90
Mechanical 1:
  circle w0.254: c104.546,26.187 r1.6
  circle w0.254: c155.346,10.947 r1.6
  circle w0.254: c103.276,-22.073 r1.6
  circle w0.254: c155.346,-16.993 r1.6
  lines w0.254: 89.306,-21.565 ccw(c92.354,-21.565) 92.354,-24.613 154.346,-24.613 ccw(c154.346,-23.613) 155.346,-23.613 155.346,-22.073 157.886,-19.533 157.886,13.233 155.346,15.773 155.346,27.203 153.822,28.727 92.354,28.727 ccw(c92.354,25.679) 89.306,25.679 89.306,-21.565

## Text inside footprints (layer, text, board x,y; h text height)
EC1: Top Overlay "+" at 91.399,-11.988 h1 r270
EC2: Top Overlay "+" at 106.41,-11.988 h1 r270